# Allegro board 1119394-C028P02-36-DE2-C01_pcb.brd (continued)
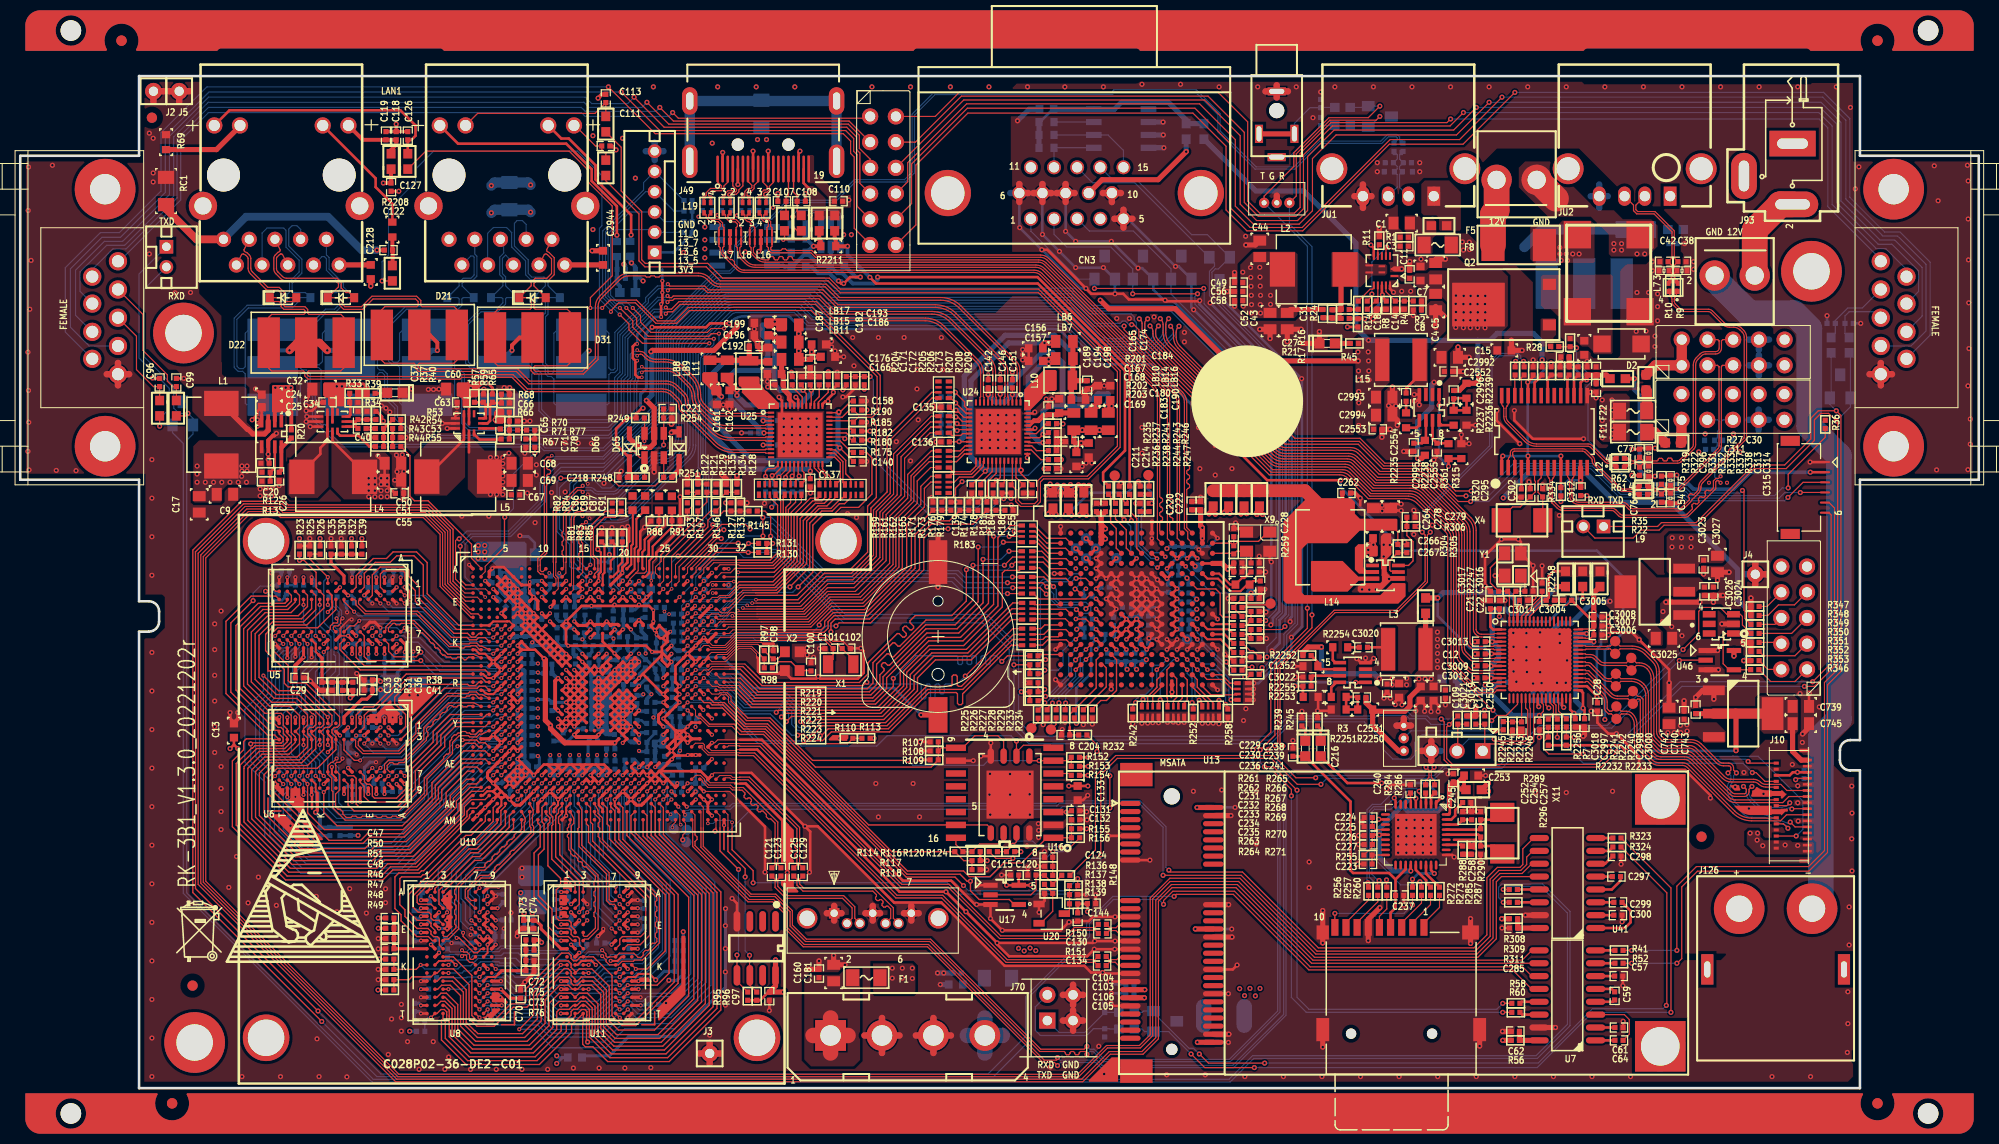
[diagram p0: board, top side]
## Routing (per net, layer and track width the routed paths; a pad name or vN(x,y) marks a point on that pad's centre or on a via; arc(x,y) is an arc through that point) (continued)
DDR1_WE_N: length 42
  TOP w0.127: U10.AG19 v1(58.72,30.12) ; U11.L3 v1(56.14,11.38) ; U8.L3 v1(42.3,11.38)
  BOTTOM w0.127: v1(58.72,30.12) 58.33,29.73 58.33,23.86 62.67,19.52 62.67,14.19 61.23,12.75 59.43,12.75 58.86,12.18 57.42,12.18 56.62,11.38 v1(56.14,11.38) 55.78,11.73 49.22,11.73 48.58,12.37 47.38,12.37 47.27,12.48 45.45,12.48 44.55,11.58 43.84,11.58 43.64,11.38 v1(42.3,11.38)
DDR1_ZQ: length 1.6
  TOP w0.305: U10.AF20 v1(59.52,30.92)
  BOTTOM w0.254: R395.1 59.35,30.92 v1(59.52,30.92)
DDR_VREF_CA_0: length 7.7
  TOP w0.203: 29.49,42.82 29.18,43.12 29.18,43.88 U5.M8
  TOP w0.305: C36.2 R31.2 R29.1 C33.1 29.81,42.5 29.49,42.82
DDR_VREF_CA_1: length 8.2
  TOP w0.178: U6.M8 29.18,30.04 29.18,29.32
  TOP w0.203: 29.18,29.32 29.34,29.16
  TOP w0.305: v2(29.17,27.26) 29.34,27.43 29.34,29.16
  BOTTOM w0.381: v2(29.17,27.26) 29.6,26.83 R411.1 C501.1 R409.2 C498.2
DDR_VREF_CA_2: length 7.7
  TOP w0.203: 47.24,11.29 46.93,10.98 46.17,10.98 U8.M8
  TOP w0.305: C72.2 R75.2 C73.1 R76.1 47.55,11.61 47.24,11.29
DDR_VREF_CA_3: length 9
  TOP w0.203: v2(62.76,10.7) 62.17,11.29 61.07,11.29 60.77,10.98 60.01,10.98 U11.M8
  BOTTOM w0.305: v2(62.76,10.7) 63.6,11.54 C353.1 R385.1 R384.2 C352.2
DDR_VREF_DQ_0: length 6.4
  TOP w0.305: C39.2 R32.2 R30.1 C35.1 30.69,51.91 31.98,50.62 U5.H1
DDR_VREF_DQ_1: length 8.4
  TOP w0.305: R38.1 C41.1 34.78,38.98 34.24,38.44 33.74,38.44 31.98,36.68 U6.H1
  TOP w0.381: v2(35.59,40.18) 35.43,40.34 R38.1
  BOTTOM w0.381: v2(35.59,40.18) R408.2 C491.2
DDR_VREF_DQ_2: length 6.3
  TOP w0.305: C48.1 36.92,13.78 U8.H1
  TOP w0.381: C47.2 R50.2 R51.1 C48.1
DDR_VREF_DQ_3: length 8
  TOP w0.305: R73.1 C74.1 50.93,16.59 51.45,16.07 51.45,15.74 53.41,13.78 U11.H1
  TOP w0.381: R73.1 49.71,17.23 v2(49.78,17.3)
  BOTTOM w0.381: v2(49.78,17.3) C440.2 R403.2
DSR1: length 129.7
  TOP w0.114: J7.4 88.42,93.47 92.96,98.02 117.32,98.02 120.9,94.44 120.9,87.52 122.29,86.13 125.99,86.13 126.75,86.88 126.75,92.22 129.6,95.07 141.22,95.07 v2(142.54,96.39)
  BOTTOM w0.114: J22.6 186.31,80.9 184.25,82.96 183.31,82.96 178.97,87.3 178.97,95.07 177.65,96.39 v2(142.54,96.39)
DSR2: length 89.3
  TOP w0.114: v2(63.17,96.9) 64.52,95.55 81.86,95.55 J7.3
  BOTTOM w0.114: v2(63.17,96.9) 62.79,96.52 55.8,96.52 55.42,96.9 18.59,96.9 15.49,93.8 15.49,87.96 10.46,82.93 9.14,82.93 7.11,80.9 J23.9
DTR1: length 145.6
  TOP w0.114: J7.10 88.04,87.4 88.04,91.31 93.55,96.82 116.03,96.82 119.56,93.29 119.56,86.96 121.48,85.04 126.62,85.04 135.31,93.73 142.16,93.73 v2(146.35,97.92)
  BOTTOM w0.114: v2(146.35,97.92) 178.03,97.92 180.31,95.63 180.31,87.86 181.15,87.02 183.97,84.2 185.42,84.2 188.24,81.38 188.24,74.83 186.74,73.33 J22.4
DTR2: length 109.7
  TOP w0.114: v2(59.36,98.43) 63.17,94.62 81.53,94.62 82.32,93.83 82.32,92.56 82.65,92.23 82.65,87.15 J7.9
  BOTTOM w0.114: v2(59.36,98.43) 18.64,98.43 14.33,94.11 14.33,88.49 9.91,84.07 8.08,84.07 4.95,80.95 4.95,75.18 6.8,73.33 J23.2
EPHY0_CLK: length 17.6
  TOP w0.127: R201.1 102.39,65.63 v2(103,65.63) ; R161.1 91.03,57.99 91.41,58.37 92.1,58.37 92.38,58.65 92.38,59.28 v2(93.03,59.93)
  BOTTOM w0.127: v2(103,65.63) 102.92,65.71 102.51,65.71 101.63,64.82 101.63,62.61 99.57,60.55 95.99,60.55 95.36,59.93 v2(93.03,59.93)
EPHY0_RSTN: length 1
  TOP w0.127: R173.1 94.87,58.19 R174.2
EPHY1_CLK: length 7.5
  TOP w0.114: R207.1 81.58,69.25 81.47,69.14 81.39,69.14 v2(81.25,68.99) ; v2(76.17,70.74) 76.17,70.38 R204.1
  BOTTOM w0.114: v2(81.25,68.99) 81.25,69.4 80.98,69.67 76.78,69.67 76.17,70.28 v2(76.17,70.74)
EPHY1_RSTN: length 30.9
  TOP w0.127: U10.F27 v1(65.92,47.72) ; R175.2 83.59,62.81 84.12,62.28 84.12,58.7 82.8,57.38 81.05,57.38 80.44,56.77 79.43,56.77 78.28,55.63 78.28,50.98 v2(76.84,49.53)
  BOTTOM w0.095: v1(65.92,47.72) 65.96,47.72 66.29,48.06 68.93,48.06 69.22,48.34 69.78,48.34 70.42,48.99 72.58,48.99
  BOTTOM w0.127: 72.58,48.99 76.29,48.99 v2(76.84,49.53)
GE0_1V05_PHY: length 7.3
  TOP w0.508: L10.2 103.82,69.85 C184.1 ; L10.2 103.97,70 LB7.1 LB6.1 ; L10.2 103.97,69.9 C189.1
GE0_1V05A_PHY: length 21.9
  TOP w0.127: U24.3 v2(98,68.53) 98,69.19 C151.1 ; U24.40 99.57,63.78 v2(101.02,63.78) 101.45,63.78 C168.1 ; C142.1 95.6,69.18 U24.9 ; C157.1 101.3,71.86 v2(101.57,71.58)
  TOP w0.508: v2(95.61,68.53) C142.1 ; LB7.2 101.65,72.09 v2(101.57,72.01)
  BOTTOM w0.508: v2(95.61,68.53) 96.34,67.79 97.26,67.79 v2(98,68.53) 99.56,68.53 ; 99.56,68.53 99.56,70.25 100.89,71.58 v2(101.57,71.58) v2(101.57,72.01) ; 99.56,68.53 99.56,64.93 100.71,63.78 v2(101.02,63.78)
GE0_1V05D_PHY: length 30.1
  TOP w0.127: C139.1 v2(95.33,60.96) 95.33,60.97 95.6,61.24 U24.28 ; U24.36 98.8,60.77 C155.1
  TOP w0.508: 98.8,61.06 v2(98.86,61.06) ; C156.1 101,73.47 v2(101.17,73.63) v2(101.65,73.63) 101.93,73.63 102.08,73.79 LB6.2
  BOTTOM w0.508: v2(101.65,73.63) v2(101.17,73.63) 97.64,73.63 93.9,69.9 93.9,62.38 v2(95.33,60.96) 95.43,61.06 v2(98.86,61.06)
GE0_3V3A_PHY: length 26.5
  TOP w0.127: C146.1 96.8,69.19 v2(96.8,68.55) U24.6 ; C167.1 101.37,64.59 v2(101.02,64.59) 100.7,64.27 U24.41
  TOP w0.508: C194.1 v2(106.45,67.39) 106.25,67.39 105.77,66.9 ; 105.77,66.9 LB14.2 ; 105.77,66.9 105.77,67.21 v2(105.94,67.39)
  BOTTOM w0.508: v2(106.45,67.39) v2(105.94,67.39) 102.97,67.39 ; 102.97,67.39 102.97,71.68 101.96,72.69 100.94,72.69 v2(96.8,68.55) ; 102.97,67.39 101.52,67.39 101.02,66.88 v2(101.02,64.59)
GE0_3V3D_PHY: length 36.5
  TOP w0.114: 92.74,63.87 v2(92.74,63.88)
  TOP w0.127: v2(92.43,66.98) 92.38,66.98 92.25,66.85 92.25,66.8 ; 92.25,66.8 92.68,66.8 93.21,66.27 U24.15 ; 92.25,66.8 C135.1 ; C136.1 91.79,63.87 U24.21
  TOP w0.508: LB16.2 107.47,67.16 v2(107.26,67.36) ; C198.1 107.67,67.51 v2(107.8,67.39)
  BOTTOM w0.508: v2(107.8,67.39) 107.44,67.74 ; 107.44,67.74 107.26,67.56 v2(107.26,67.36) ; 107.44,67.74 107.44,68.61 106.45,68.61 105.92,68.07 104.29,68.07 103.78,68.58 103.78,72.77 102.16,74.4 97.28,74.4 93.24,70.36 93.24,66.98 ; 93.24,66.98 93.24,64.39 v2(92.74,63.88) ; 93.24,66.98 v2(92.43,66.98)
GE0_AN0: length 3
  TOP w0.127: RN22.7 92.37,65.82 v2(92.53,65.66) 92.71,65.48 93.71,65.48 U24.17
  BOTTOM w0.127: R378.1 91.96,65.82 92.37,65.82 v2(92.53,65.66)
GE0_AN1: length 3.1
  TOP w0.127: U24.18 92.63,65.07 v2(92.53,64.97) 92.41,64.97 92.05,65.33 RN22.6
  BOTTOM w0.127: v2(92.53,64.97) 92.43,65.07 92.1,65.07 R379.1
GE0_ENSWREG: length 2.5
  TOP w0.127: R203.2 100.81,62.1 99.84,63.07 U24.38
GE0_LED0_ACTIVE/PHY_AD0: length 91.8
  TOP w0.114: LB21.1 59.36,92.96 59.36,88.65 61.38,86.62 61.38,81.85 61.73,81.5 67.91,81.5 69.37,80.04 79.91,80.04 81,78.94 100.58,78.94 108.64,70.89 108.64,63.32 105.51,60.2 101.07,60.2 100.76,59.89 100.76,57.94 100.3,57.48 98.81,57.48 98.32,57.96 98.32,59.16 R184.2
  TOP w0.127: R184.2 98,59.74 U24.34
GE0_LED1_LINK/PHY_AD1: length 86.8
  TOP w0.114: R186.1 98.58,59.13 98.58,58.09 98.92,57.75 100.19,57.75 100.49,58.05 100.49,60 100.95,60.47 105.4,60.47 108.37,63.43 108.37,70.81 100.58,78.59 80.99,78.59 79.81,79.77 69.14,79.77 67.75,81.15 61.7,81.15 61.11,81.74 61.11,86.39 57.84,89.66 LB13.1
  TOP w0.127: U24.35 98.35,61.94 98.35,60.32 R186.1
GE0_MDI0_N: length 85.6
  TOP w0.114: U24.2 98.4,68.25 98.46,68.32 98.46,70.99 arc(98.4,71.33) 98.2,71.62 92.72,77.11 arc(91.89,77.66) 90.92,77.85 80.83,77.85 79.51,79.17 69.17,79.17 arc(68.63,79.28) 68.17,79.59 67.86,79.9 arc(67.45,80.17) 66.98,80.26 63.21,80.26 63.09,80.14 62.76,80.14 62.64,80.26 62.3,80.26 62.18,80.14 61.84,80.14 61.72,80.26 60.11,80.26 arc(59.65,80.17) 59.26,79.91 57.43,78.08 arc(57.17,77.69) 57.07,77.23 57.07,72.01 55.63,70.56 50.77,70.56 50.45,70.88 50.45,71.25 50.33,71.37 47.17,71.37 46.9,71.64 D31.3 46.9,76.67 47.18,76.96 50.36,76.96 50.47,77.08 50.47,77.98 50.35,78.11 D35.2 50.47,79.29 50.47,79.63 50.86,80.02 52.01,80.02 52.48,80.49 52.48,81.95 52.06,82.36 51.92,82.43 51.77,82.38 J115.3
GE0_MDI0_P: length 85.6
  TOP w0.114: J115.2 51.99,82.82 52.04,82.67 52.22,82.58 52.74,82.06 52.74,80.38 52.12,79.76 50.97,79.76 50.74,79.52 50.74,79.27 D35.1 50.86,78.11 50.74,77.99 50.74,77.09 50.87,76.96 54.03,76.96 54.3,76.69 D31.1 54.3,71.66 54.01,71.37 50.83,71.37 50.72,71.26 50.72,70.99 50.88,70.83 55.52,70.83 56.81,72.12 56.81,77.23 arc(56.92,77.79) 57.24,78.26 59.07,80.1 arc(59.55,80.42) 60.11,80.53 66.98,80.53 arc(67.55,80.42) 68.04,80.09 68.36,79.78 arc(68.73,79.53) 69.17,79.44 79.62,79.44 80.94,78.12 90.92,78.12 arc(92,77.9) 92.91,77.3 98.39,71.81 arc(98.64,71.44) 98.73,70.99 98.73,68.32 98.8,68.25 U24.1
GE0_MDI1_N: length 87.3
  TOP w0.114: v1(63.96,78.83) 64.12,78.98 67.5,78.98 67.87,78.61 79.17,78.61 80.64,77.14 90.38,77.14 arc(91.39,76.94) 92.24,76.37 96.89,71.72 arc(97.17,71.31) 97.26,70.82 97.26,68.32 97.2,68.25 U24.5
  BOTTOM w0.114: J115.7 46.16,84.46 46.74,85.04 48.03,85.04 48.54,84.53 48.54,83.11 49.91,81.74 49.91,80.37 50.41,79.87 51.63,79.87 51.86,79.64 51.86,79.28 D36.2 51.75,78.11 51.86,77.99 51.86,76.57 51.61,76.33 51.61,71.5 51.85,71.26 51.85,70.59 52.12,70.32 52.46,70.32 52.71,70.07 52.71,67.68 52.86,67.53 D32.3 57.99,67.53 58.14,67.68 58.14,70.5 58.34,70.7 58.71,70.7 58.99,70.98 58.99,74.57 62.04,77.61 62.04,77.99 63.05,79 63.79,79 v1(63.96,78.83)
GE0_MDI1_P: length 87.4
  TOP w0.114: v1(63.96,79.44) 64.15,79.25 67.61,79.25 67.98,78.88 79.28,78.88 80.76,77.41 90.38,77.41 arc(91.49,77.19) 92.43,76.56 97.08,71.91 arc(97.41,71.41) 97.53,70.82 97.53,68.32 97.6,68.25 U24.4
  BOTTOM w0.114: J115.4 49.97,85.33 49.58,85.73 49.07,85.73 48.81,85.46 48.81,83.22 50.18,81.85 50.18,80.48 50.52,80.14 51.74,80.14 52.13,79.75 52.13,79.28 D36.1 52.24,78.11 52.13,77.99 52.13,76.46 51.88,76.22 51.88,71.61 52.12,71.37 52.12,70.7 52.24,70.58 52.51,70.58 52.71,70.78 52.71,74.59 53.04,74.93 D32.1 57.8,74.93 58.14,74.59 58.14,71.16 58.34,70.97 58.6,70.97 58.72,71.09 58.72,74.68 61.77,77.72 61.77,78.11 62.93,79.27 63.79,79.27 v1(63.96,79.44)
GE0_MDI2_N: length 95.3
  TOP w0.114: U24.8 96,68.25 96.06,68.32 96.06,70.84 arc(95.94,71.43) 95.61,71.93 91.78,75.76 arc(90.99,76.29) 90.04,76.48 80.42,76.48 78.89,78 64.61,78 64.44,77.84 64.1,77.84 v1(63.93,77.67)
  BOTTOM w0.114: v1(63.93,77.67) 63.72,77.88 63.06,77.88 59.5,74.31 59.5,70.63 58.98,70.11 58.98,66.55 58.2,65.77 52.39,65.77 51.23,66.93 51.23,70.49 50.99,70.73 50.72,70.73 50.52,70.54 50.52,67.72 50.37,67.56 D33.3 45.24,67.56 45.01,67.79 45.01,71.07 44.84,71.24 44.38,71.24 43.99,71.63 43.99,75.56 45.41,76.97 47.05,76.97 47.67,77.59 47.67,77.99 47.56,78.11 D37.2 47.67,79.28 47.67,80.06 47.36,80.37 47.36,82.11 47.75,82.5 47.75,83.55 J115.6
GE0_MDI2_P: length 95.2
  TOP w0.114: U24.7 96.4,68.25 96.33,68.32 96.33,70.84 arc(96.19,71.53) 95.8,72.12 91.97,75.95 arc(91.09,76.54) 90.04,76.75 80.53,76.75 79,78.27 64.5,78.27 64.33,78.11 64.1,78.11 v1(63.93,78.28)
  BOTTOM w0.114: J115.5 48.7,81.55 47.94,82.31 47.62,82 47.62,80.48 47.94,80.17 47.94,79.28 D37.1 48.05,78.11 47.94,77.99 47.94,77.48 47.16,76.71 45.52,76.71 44.26,75.45 44.26,71.74 44.49,71.51 44.89,71.51 45.09,71.7 45.09,74.63 45.42,74.96 D33.1 50.18,74.96 50.52,74.63 50.52,71.2 50.72,71 51.1,71 51.5,70.6 51.5,67.04 52.5,66.04 58.09,66.04 58.71,66.66 58.71,70.22 59.23,70.74 59.23,74.42 62.95,78.14 63.8,78.14 v1(63.93,78.28)
GE0_MDI3_N: length 106.3
  TOP w0.114: v1(63.77,76.52) 63.95,76.71 64.44,76.71 65.17,77.44 78.54,77.44 80.05,75.93 arc(80.17,75.85) 80.32,75.82 89.39,75.82 arc(90.27,75.64) 91.03,75.14 94.44,71.72 arc(94.75,71.26) 94.86,70.71 94.86,68.32 94.8,68.25 U24.11
  BOTTOM w0.114: v1(63.77,76.52) 63.59,76.7 62.65,76.7 60.01,74.06 60.01,70.37 59.63,69.99 59.63,66.44 58.2,65.01 44.26,65.01 43.61,65.66 43.61,70.45 43.37,70.7 43.1,70.7 42.9,70.5 42.9,67.68 42.75,67.53 D34.3 37.68,67.53 37.47,67.74 37.47,71.21 37.22,71.46 36.76,71.46 36.37,71.85 36.37,75.56 38.04,77.23 43.08,77.23 43.35,77.5 43.35,77.99 43.24,78.11 D38.2 43.35,79.28 43.35,79.62 43.76,80.02 44.52,80.02 44.83,80.34 44.83,82.1 44.71,82.22 44.51,82.22 J115.9
GE0_MDI3_P: length 106.4
  TOP w0.114: U24.10 95.2,68.25 95.13,68.32 95.13,70.71 arc(95,71.36) 94.63,71.91 91.22,75.33 arc(90.38,75.89) 89.39,76.09 80.32,76.09 arc(80.28,76.09) 80.24,76.12 78.65,77.71 65.06,77.71 64.33,76.97 63.92,76.97 v1(63.77,77.13)
  BOTTOM w0.114: v1(63.77,77.13) 63.59,76.96 62.53,76.96 59.74,74.17 59.74,70.48 59.36,70.1 59.36,66.55 58.09,65.28 44.37,65.28 43.88,65.77 43.88,70.57 43.48,70.97 43.1,70.97 42.9,71.16 42.9,74.59 42.56,74.93 D34.1 37.8,74.93 37.47,74.59 37.47,71.92 37.27,71.73 36.87,71.73 36.64,71.96 36.64,75.45 38.15,76.96 43.24,76.96 43.62,77.34 43.62,77.99 43.73,78.11 D38.1 43.65,79.25 43.65,79.54 43.87,79.76 44.63,79.76 45.1,80.23 45.1,82.21 44.89,82.41 J115.8
GE0_PHY_AD2: length 3.9
  TOP w0.127: U24.13 93.61,67.07 93.27,67.41 93.27,67.82 92.33,68.76 ; 92.33,68.76 RN21.6 ; 92.33,68.76 v2(92.35,68.76)
  BOTTOM w0.127: v2(92.35,68.76) 92.35,68.43 92.23,68.3 R375.1
GE0_RXDLY: length 2.5
  TOP w0.127: U24.32 97.2,59.83 R181.1
GE0_SELRGV: length 3.4
  TOP w0.127: U24.14 93.42,66.67 v2(92.39,67.7) 91.91,68.18 RN21.5
  BOTTOM w0.127: v2(92.39,67.7) 92.06,67.7 R376.1
GE0_TXDLY: length 3
  TOP w0.127: 92.46,66.27 91.86,66.27 RN22.8 ; 92.46,66.27 v2(92.41,66.32) ; 92.46,66.27 92.66,66.27 93.06,65.87 U24.16
  BOTTOM w0.127: R377.1 91.87,66.42 92.3,66.42 v2(92.41,66.32)
GE0_VDDREG: length 7.5
  TOP w0.254: U24.44 99.74,65.47 100.1,65.84 100.61,65.84 101.17,66.4 101.4,66.4 C165.1 101.52,66.57 100.99,66.57 100.48,66.07 100.1,66.07 99.91,65.87 U24.45
  TOP w0.508: C165.1 102.45,66.55 C174.1 LB10.2
GE1_1V05_PHY: length 7.3
  TOP w0.508: C187.1 72.06,71.77 L11.2 ; L11.2 72.01,71.92 C192.1 ; L11.2 71.91,71.92 LB9.1 LB8.1
GE1_1V05A_PHY: length 20.8
  TOP w0.114: U25.9 73.39,63.54 v2(73.38,63.55)
  TOP w0.127: C172.1 78.13,69.39 v2(78.13,68.96) 78.13,67.51 U25.40 ; v2(70.79,68.45) 70.79,68.71 70.55,68.95 C162.1 ; U25.3 v2(73.38,65.94)
  TOP w0.508: LB9.2 69.82,69.95 v2(70.79,68.99)
  BOTTOM w0.254: C143.1 v2(73.38,63.55)
  BOTTOM w0.508: v2(78.13,68.96) 78.13,68.66 76.98,67.51 73.38,67.51 ; 73.38,67.51 71.66,67.51 70.79,68.38 v2(70.79,68.45) v2(70.79,68.99) ; 73.38,67.51 v2(73.38,65.94) 73.4,65.96 C152.1 73.96,65.36 74.12,65.2 74.12,64.29 73.96,64.14 C143.1
GE1_1V05D_PHY: length 30.6
  TOP w0.127: C140.1 v2(80.95,63.27) 80.94,63.27 80.67,63.54 U25.28 ; U25.36 80.91,66.74 82.07,67.89 C158.1
  TOP w0.381: C161.1 68.81,68.78 v2(69.27,68.33)
  TOP w0.508: 80.85,66.74 v2(80.85,66.8) ; LB8.2 68.12,70.1 68.63,69.6 68.81,69.6 v2(68.86,69.55) 68.86,69.52 68.81,69.47 C161.1
  BOTTOM w0.508: v2(80.85,66.8) 80.77,66.73 80.77,63.45 v2(80.95,63.27) 79.68,62 72.31,62 68.78,65.53 68.78,67.84 v2(69.27,68.33) 68.86,68.73 v2(68.86,69.55)
GE1_3V3A_PHY: length 25.1
  TOP w0.127: v2(73.46,64.74) U25.6 ; U25.41 77.64,68.64 v2(77.32,68.96) 77.32,69.32 C171.1
  TOP w0.508: C196.1 v2(74.52,74.4) 74.52,74.19 75.01,73.71 ; LB15.2 75.01,73.71 ; 75.01,73.71 74.7,73.71 v2(74.52,73.89)
  BOTTOM w0.508: 74.52,70.92 74.52,69.47 75.03,68.96 v2(77.32,68.96) ; 74.52,70.92 70.66,70.92 70.15,70.41 70.15,68.04 72.95,65.25 C148.1 73.45,64.74 v2(73.46,64.74) ; 74.52,70.92 v2(74.52,73.89) v2(74.52,74.4)
GE1_3V3D_PHY: length 33.9
  TOP w0.114: 78.04,60.23 C137.1 ; v2(74.93,60.38) 75.64,61.08 U25.15
  TOP w0.127: 78.04,60.23 v2(78.04,60.96) U25.21
  TOP w0.508: v2(74.52,75.74) 74.4,75.62 C199.1 ; v2(74.55,75.21) 74.75,75.41 LB17.2
  BOTTOM w0.508: 74.17,75.39 73.3,75.39 73.3,74.4 73.84,73.86 73.84,72.24 73.33,71.73 69.49,71.73 68.15,70.38 68.15,64.82 71.81,61.16 74.9,61.16 ; 74.17,75.39 v2(74.52,75.74) ; 74.17,75.39 74.35,75.21 v2(74.55,75.21) ; 74.9,61.16 77.83,61.16 v2(78.04,60.96) ; 74.9,61.16 74.9,60.4 v2(74.93,60.38)
GE1_AN0: length 3
  TOP w0.127: RN20.7 76.09,60.31 v2(76.25,60.48) 76.43,60.66 76.43,61.65 U25.17
  BOTTOM w0.127: v2(76.25,60.48) 76.09,60.31 76.09,59.91 R373.1
GE1_AN1: length 3.1
  TOP w0.127: U25.18 76.84,60.58 v2(76.94,60.48) 76.94,60.35 76.58,60 RN20.6
  BOTTOM w0.127: v2(76.94,60.48) 76.84,60.38 76.84,60.04 R374.1
GE1_ENSWREG: length 2.5
  TOP w0.127: R206.2 79.81,68.76 78.84,67.79 U25.38
GE1_LED0_ACTIVE/PHY_AD0: length 76.9
  TOP w0.114: LB30.1 40.06,92.58 54.22,92.58 56.13,90.68 56.13,89.5 58.47,87.16 58.47,80.26 56.31,78.11 v1(56.31,77.09) ; R185.1 82.78,66.29 84.15,66.29 84.94,67.08 84.94,70.43 78.23,77.14 65.97,77.14 64.64,75.81 62.92,75.81 60.87,77.87 58.26,77.87 v1(57.48,77.09)
  TOP w0.127: R185.1 82.17,65.94 U25.34
  BOTTOM w0.114: v1(56.31,77.09) v1(57.48,77.09)
GE1_LED1_LINK/PHY_AD1: length 87.1
  TOP w0.114: v1(58.34,76.71) 58.34,76.84 59.11,77.6 60.76,77.6 62.78,75.57 64.83,75.57 66.1,76.84 78.11,76.84 84.63,70.31 84.63,67.13 84.05,66.55 82.75,66.55 R190.2 ; LB29.1 v2(35.74,79.76)
  TOP w0.127: R190.2 81.89,67.01 81.18,66.29 79.97,66.29 U25.35
  BOTTOM w0.114: v1(58.34,76.71) 58.34,76.84 57.2,77.98 57.2,84.96 57.45,85.22 57.45,90.17 55.04,92.58 40.82,92.58 39.04,90.81 39.04,89.54 36.37,86.87 36.37,82.3 35.74,81.66 v2(35.74,79.76)
GE1_MDI0_N: length 82.8
  TOP w0.114: U25.2 73.66,66.34 73.59,66.41 69.13,66.41 arc(68.43,66.55) 67.83,66.94 67.4,67.38 arc(67.05,67.9) 66.93,68.51 66.93,68.57 arc(66.75,69.45) 66.26,70.19 65.47,70.98 arc(64.61,71.55) 63.6,71.76 62.74,71.76 arc(62.2,71.86) 61.74,72.17 61.46,72.45 arc(61.38,72.5) 61.29,72.52 61.29,72.52 arc(61.1,72.48) v3(60.94,72.37)
  BOTTOM w0.114: J11.3 29.8,82.17 30.03,82.17 30.24,81.96 30.24,80.81 31.65,79.4 31.65,78.99 31.27,78.61 30.87,78.61 D27.2 31.43,78.11 31.54,77.99 31.54,77.46 31.06,76.97 30.17,76.97 28.75,75.56 28.75,71.48 29.02,71.21 29.47,71.21 29.72,70.96 29.72,67.81 30,67.53 D19.3 35.13,67.53 35.28,67.68 35.28,70.5 35.48,70.7 35.75,70.7 35.99,70.45 35.99,68.2 37,67.2 37,66.18 38.93,64.25 58.2,64.25 60.26,66.31 60.26,69.87 60.52,70.12 60.52,72.4 60.63,72.52 60.79,72.52 v3(60.94,72.37)
GE1_MDI0_P: length 82.7
  TOP w0.114: U25.1 73.66,66.74 73.59,66.67 69.13,66.67 arc(68.53,66.79) 68.02,67.13 67.59,67.56 arc(67.3,68) 67.2,68.51 67.2,68.57 arc(67,69.55) 66.45,70.38 65.66,71.17 arc(64.71,71.8) 63.6,72.02 62.74,72.02 arc(62.3,72.11) 61.92,72.36 61.65,72.63 arc(61.49,72.74) 61.29,72.78 61.29,72.78 arc(61.1,72.82) v3(60.94,72.93)
  BOTTOM w0.114: J11.2 30.24,82.34 30.51,82.07 30.51,80.92 31.92,79.51 31.92,79.17 D27.1 31.92,78.11 31.81,77.99 31.81,77.35 31.17,76.71 30.28,76.71 29.02,75.45 29.02,71.59 29.13,71.47 29.52,71.47 29.84,71.8 29.84,74.59 30.18,74.93 D19.1 34.94,74.93 35.28,74.59 35.28,71.16 35.48,70.97 35.86,70.97 36.26,70.57 36.26,68.31 37.26,67.31 37.26,66.29 39.04,64.52 58.09,64.52 59.99,66.42 59.99,69.98 60.25,70.23 60.25,72.51 60.52,72.78 60.79,72.78 v3(60.94,72.93)
GE1_MDI1_N: length 100.1
  TOP w0.114: U25.5 73.66,65.14 73.59,65.21 69.68,65.21 arc(68.83,65.38) 68.1,65.86 66.89,67.07 arc(66.49,67.68) 66.34,68.39 66.34,68.39 arc(66.24,68.92) 65.94,69.36 64.8,70.51 arc(64.4,70.77) 63.93,70.87 61.74,70.87 arc(61.55,70.83) v3(61.39,70.72)
  BOTTOM w0.114: v3(61.39,70.72) 61.3,70.81 61.14,70.81 61.02,70.7 61.02,69.87 60.9,69.74 60.9,66.18 57.7,62.99 51.74,62.99 51.37,63.36 31.56,63.36 28.87,66.06 28.87,68.34 28.37,68.84 28.37,70.45 28.13,70.7 27.86,70.7 27.66,70.5 27.66,67.68 27.51,67.53 D20.3 22.38,67.53 22.23,67.68 22.23,70.58 21.98,70.83 21.52,70.83 21.13,71.21 21.13,76.07 22.42,77.36 26.75,77.36 27.22,77.83 27.22,77.99 27.11,78.11 D28.2 26.59,78.65 26.59,79.69 27.55,80.64 27.55,81.8 26.25,83.1 26.25,84.75 26.01,84.99 24.38,84.99 23.89,84.49 J11.7
GE1_MDI1_P: length 100
  TOP w0.114: U25.4 73.66,65.54 73.59,65.47 69.68,65.47 arc(68.93,65.63) 68.29,66.05 67.08,67.26 arc(66.73,67.78) 66.61,68.39 66.61,68.39 arc(66.49,69.02) 66.13,69.55 64.99,70.7 arc(64.5,71.02) 63.93,71.13 61.74,71.13 arc(61.55,71.17) v3(61.39,71.28)
  BOTTOM w0.114: J11.4 27.7,84.85 27.33,85.22 26.85,85.22 26.52,84.89 26.52,83.21 27.81,81.92 27.81,80.53 26.86,79.58 26.86,78.73 26.98,78.61 28.16,78.61 D28.1 27.6,78.11 27.49,77.99 27.49,77.72 26.86,77.09 22.53,77.09 21.4,75.96 21.4,71.32 21.63,71.09 22.03,71.09 22.23,71.29 22.23,74.59 22.56,74.93 D20.1 27.32,74.93 27.66,74.59 27.66,71.16 27.86,70.97 28.24,70.97 28.64,70.57 28.64,68.95 29.13,68.45 29.13,66.17 29.75,65.55 arc(29.85,65.51) 29.95,65.55 arc(30.04,65.59) 30.14,65.55 30.27,65.41 arc(30.31,65.32) 30.27,65.22 arc(30.23,65.13) 30.27,65.03 30.4,64.9 arc(30.5,64.86) 30.59,64.9 arc(30.69,64.94) 30.78,64.9 30.92,64.77 arc(30.95,64.67) 30.92,64.58 arc(30.88,64.48) 30.92,64.39 31.67,63.63 35.2,63.63 arc(35.29,63.66) 35.32,63.75 arc(35.36,63.84) 35.45,63.88 35.65,63.88 arc(35.74,63.84) 35.78,63.75 arc(35.82,63.66) 35.91,63.63 36.11,63.63 arc(36.2,63.66) 36.24,63.75 arc(36.28,63.84) 36.37,63.88 36.57,63.88 arc(36.66,63.84) 36.7,63.75 arc(36.73,63.66) 36.82,63.63 51.48,63.63 51.85,63.26 57.59,63.26 60.63,66.29 60.63,69.85 60.76,69.98 60.76,70.81 61.03,71.08 61.19,71.08 v3(61.39,71.28)
GE1_MDI2_N: length 73.9
  TOP w0.114: J11.6 25.68,82.82 25.63,82.67 25.45,82.58 25.16,82.29 arc(25.07,82.16) 25.04,82.02 25.04,80.95 arc(25.09,80.7) 25.24,80.48 25.71,80.01 arc(25.99,79.82) 26.32,79.76 31.18,79.76 31.43,79.5 31.43,79.17 D29.2 31.43,78.11 31.54,77.99 31.54,77.35 31.94,76.95 33.82,76.95 34.84,77.98 39.04,77.98 39.3,77.72 39.3,77.33 39.18,77.22 36.01,77.22 35.72,76.93 D21.3 35.72,71.9 35.99,71.63 38.9,71.63 39.02,71.5 39.02,71.14 39.34,70.82 49,70.82 50.22,69.6 63.78,69.6 arc(64.29,69.49) 64.73,69.21 65.48,68.46 arc(65.64,68.21) 65.7,67.92 arc(65.8,67.39) 66.1,66.95 68.25,64.8 arc(69.13,64.21) 70.16,64.01 73.59,64.01 73.66,63.94 U25.8
GE1_MDI2_P: length 74
  TOP w0.114: J11.5 25.9,82.38 25.75,82.43 25.75,82.43 25.6,82.36 25.34,82.1 arc(25.32,82.06) 25.31,82.02 25.31,80.95 arc(25.34,80.8) 25.43,80.67 25.9,80.2 arc(26.09,80.07) 26.32,80.02 31.29,80.02 31.7,79.61 31.7,79.07 32.16,78.61 32.47,78.61 D29.1 31.92,78.11 31.81,77.99 31.81,77.46 32.05,77.22 33.71,77.22 34.73,78.24 39.15,78.24 39.56,77.83 39.56,77.34 39.69,77.22 42.85,77.22 43.12,76.95 D21.1 43.12,71.92 42.83,71.63 39.4,71.63 39.29,71.51 39.29,71.25 39.45,71.08 49.11,71.08 50.33,69.86 63.78,69.86 arc(64.4,69.74) 64.91,69.39 65.66,68.65 arc(65.89,68.31) 65.96,67.92 arc(66.05,67.5) 66.29,67.14 68.44,64.99 arc(69.23,64.46) 70.16,64.27 73.59,64.27 73.66,64.34 U25.7
GE1_MDI3_N: length 75.8
  TOP w0.114: J11.9 21.87,82.38 22.02,82.43 22.27,82.31 22.44,82.14 arc(22.49,82.06) 22.5,81.97 22.5,81.02 arc(22.56,80.72) 22.73,80.47 24.27,78.93 24.35,78.85 25.47,78.85 25.83,78.5 25.83,78.22 25.71,78.11 D30.2 25.03,77.72 25.58,77.72 25.76,77.54 25.76,77.22 26.03,76.95 28.01,76.95 28.12,76.84 28.12,76.57 28.01,76.45 24.83,76.45 24.54,76.17 D22.3 24.54,71.14 24.82,70.87 27.97,70.87 28.1,70.74 28.1,70.37 28.42,70.05 43.43,70.05 43.61,70.23 48.57,70.23 49.98,68.82 63.47,68.82 arc(63.91,68.73) 64.29,68.48 64.86,67.91 arc(65.01,67.69) 65.06,67.43 65.06,67.35 arc(65.11,67.09) 65.26,66.88 68.52,63.61 arc(69.41,63.02) 70.46,62.81 73.59,62.81 73.66,62.74 U25.11
GE1_MDI3_P: length 75.8
  TOP w0.114: U25.10 73.66,63.14 73.59,63.07 70.46,63.07 arc(69.52,63.26) 68.71,63.8 65.45,67.07 arc(65.36,67.2) 65.33,67.35 65.33,67.43 arc(65.26,67.79) 65.05,68.1 64.48,68.67 arc(64.01,68.98) 63.47,69.09 50.09,69.09 48.68,70.5 43.5,70.5 43.32,70.32 28.53,70.32 28.37,70.48 28.37,70.75 28.48,70.87 31.66,70.87 31.94,71.15 D22.1 31.94,76.18 31.67,76.45 28.52,76.45 28.39,76.58 28.39,76.95 28.12,77.22 26.14,77.22 26.03,77.33 26.03,77.54 26.21,77.72 26.89,77.72 D30.1 26.21,78.11 26.09,78.22 26.09,78.61 25.58,79.12 24.46,79.12 22.92,80.66 arc(22.81,80.83) 22.77,81.02 22.77,81.97 arc(22.73,82.17) 22.62,82.33 22.42,82.53 22.14,82.67 22.09,82.82 J11.8
GE1_PHY_AD2: length 3.8
  TOP w0.114: RN79.6 74.04,60.03 v2(73.61,60.45)
  TOP w0.127: U25.13 74.84,61.55 74.5,61.21 73.86,61.21 73.61,60.96 v2(73.61,60.45)
  BOTTOM w0.127: v2(73.61,60.45) R370.1
GE1_RXDLY: length 2.5
  TOP w0.127: U25.32 82.08,65.14 R182.1
GE1_SELRGV: length 3.5
  TOP w0.114: v2(74.27,60.53) 74.27,60.2 74.61,59.86 RN79.5
  TOP w0.127: U25.14 75.24,61.37 74.4,60.53 v2(74.27,60.53)
  BOTTOM w0.127: R371.1 74.27,59.94 v2(74.27,60.53)
GE1_TXDLY: length 3
  TOP w0.127: RN20.8 75.64,59.81 75.64,60.4 ; 75.64,60.4 v2(75.59,60.35) ; 75.64,60.4 75.64,60.6 76.04,61 U25.16
  BOTTOM w0.127: v2(75.59,60.35) 75.49,60.25 75.49,59.82 R372.1
GE1_VDDREG: length 7.5
  TOP w0.254: U25.45 76.04,67.85 75.84,68.05 75.84,68.43 75.34,68.94 75.34,69.47 C166.1 75.51,69.34 75.51,69.11 76.07,68.55 76.07,68.05 76.44,67.68 U25.44
  TOP w0.508: C166.1 75.36,70.4 C176.1 LB11.2
GPIO0_1: length 168.1
  TOP w0.114: v2(43.46,53.54) 43.46,50.27 44.01,49.72 U10.C1 ; v2(123.04,66.29) 125.43,63.91 132.26,63.91 134.68,61.48 138.9,61.48 141.86,58.52 v2(142.8,58.52) ; v2(175.82,58.85) 175.83,58.86 J120.4
  BOTTOM w0.114: v2(142.8,58.52) 145.03,58.52 147.98,61.47 155.27,61.47 158.06,58.67 164.39,58.67 164.77,58.29 173.74,58.29 174.29,58.85 v2(175.82,58.85) ; v2(43.46,53.54) 43.46,53.72 44.5,54.76 48.33,54.76 51.61,58.04 51.61,59.56 53.39,61.34 57.62,61.34 63.53,67.25 63.53,74.48 68.83,79.78 79.27,79.78 80.29,78.77 104.04,78.77 105.77,77.04 113.75,77.04 122.58,68.2 122.58,66.75 v2(123.04,66.29)
GPIO0_2: length 170.2
  TOP w0.095: v3(45.92,48.51) 45.52,48.92 U10.D2
  TOP w0.114: v2(143.26,57.96) 142.04,57.96 138.79,61.21 134.57,61.21 132.16,63.63 124.94,63.63 v2(123.04,65.53) ; J120.3 176.09,59.86 v2(174.6,58.37)